# Altium PCB main.PcbDoc (part 2 of 2)
Units mm, origin at the board's own origin, x right, y up, seen from the top; angles counter-clockwise.
Board outline 199.62 x 144.74 mm, 2 copper layers (Top Layer, Bottom Layer), stack 1.58 mm thick; 201 components, 181 nets, 704 pads, 1888 vias.
Unrouted connection lines stored in the file: 2.
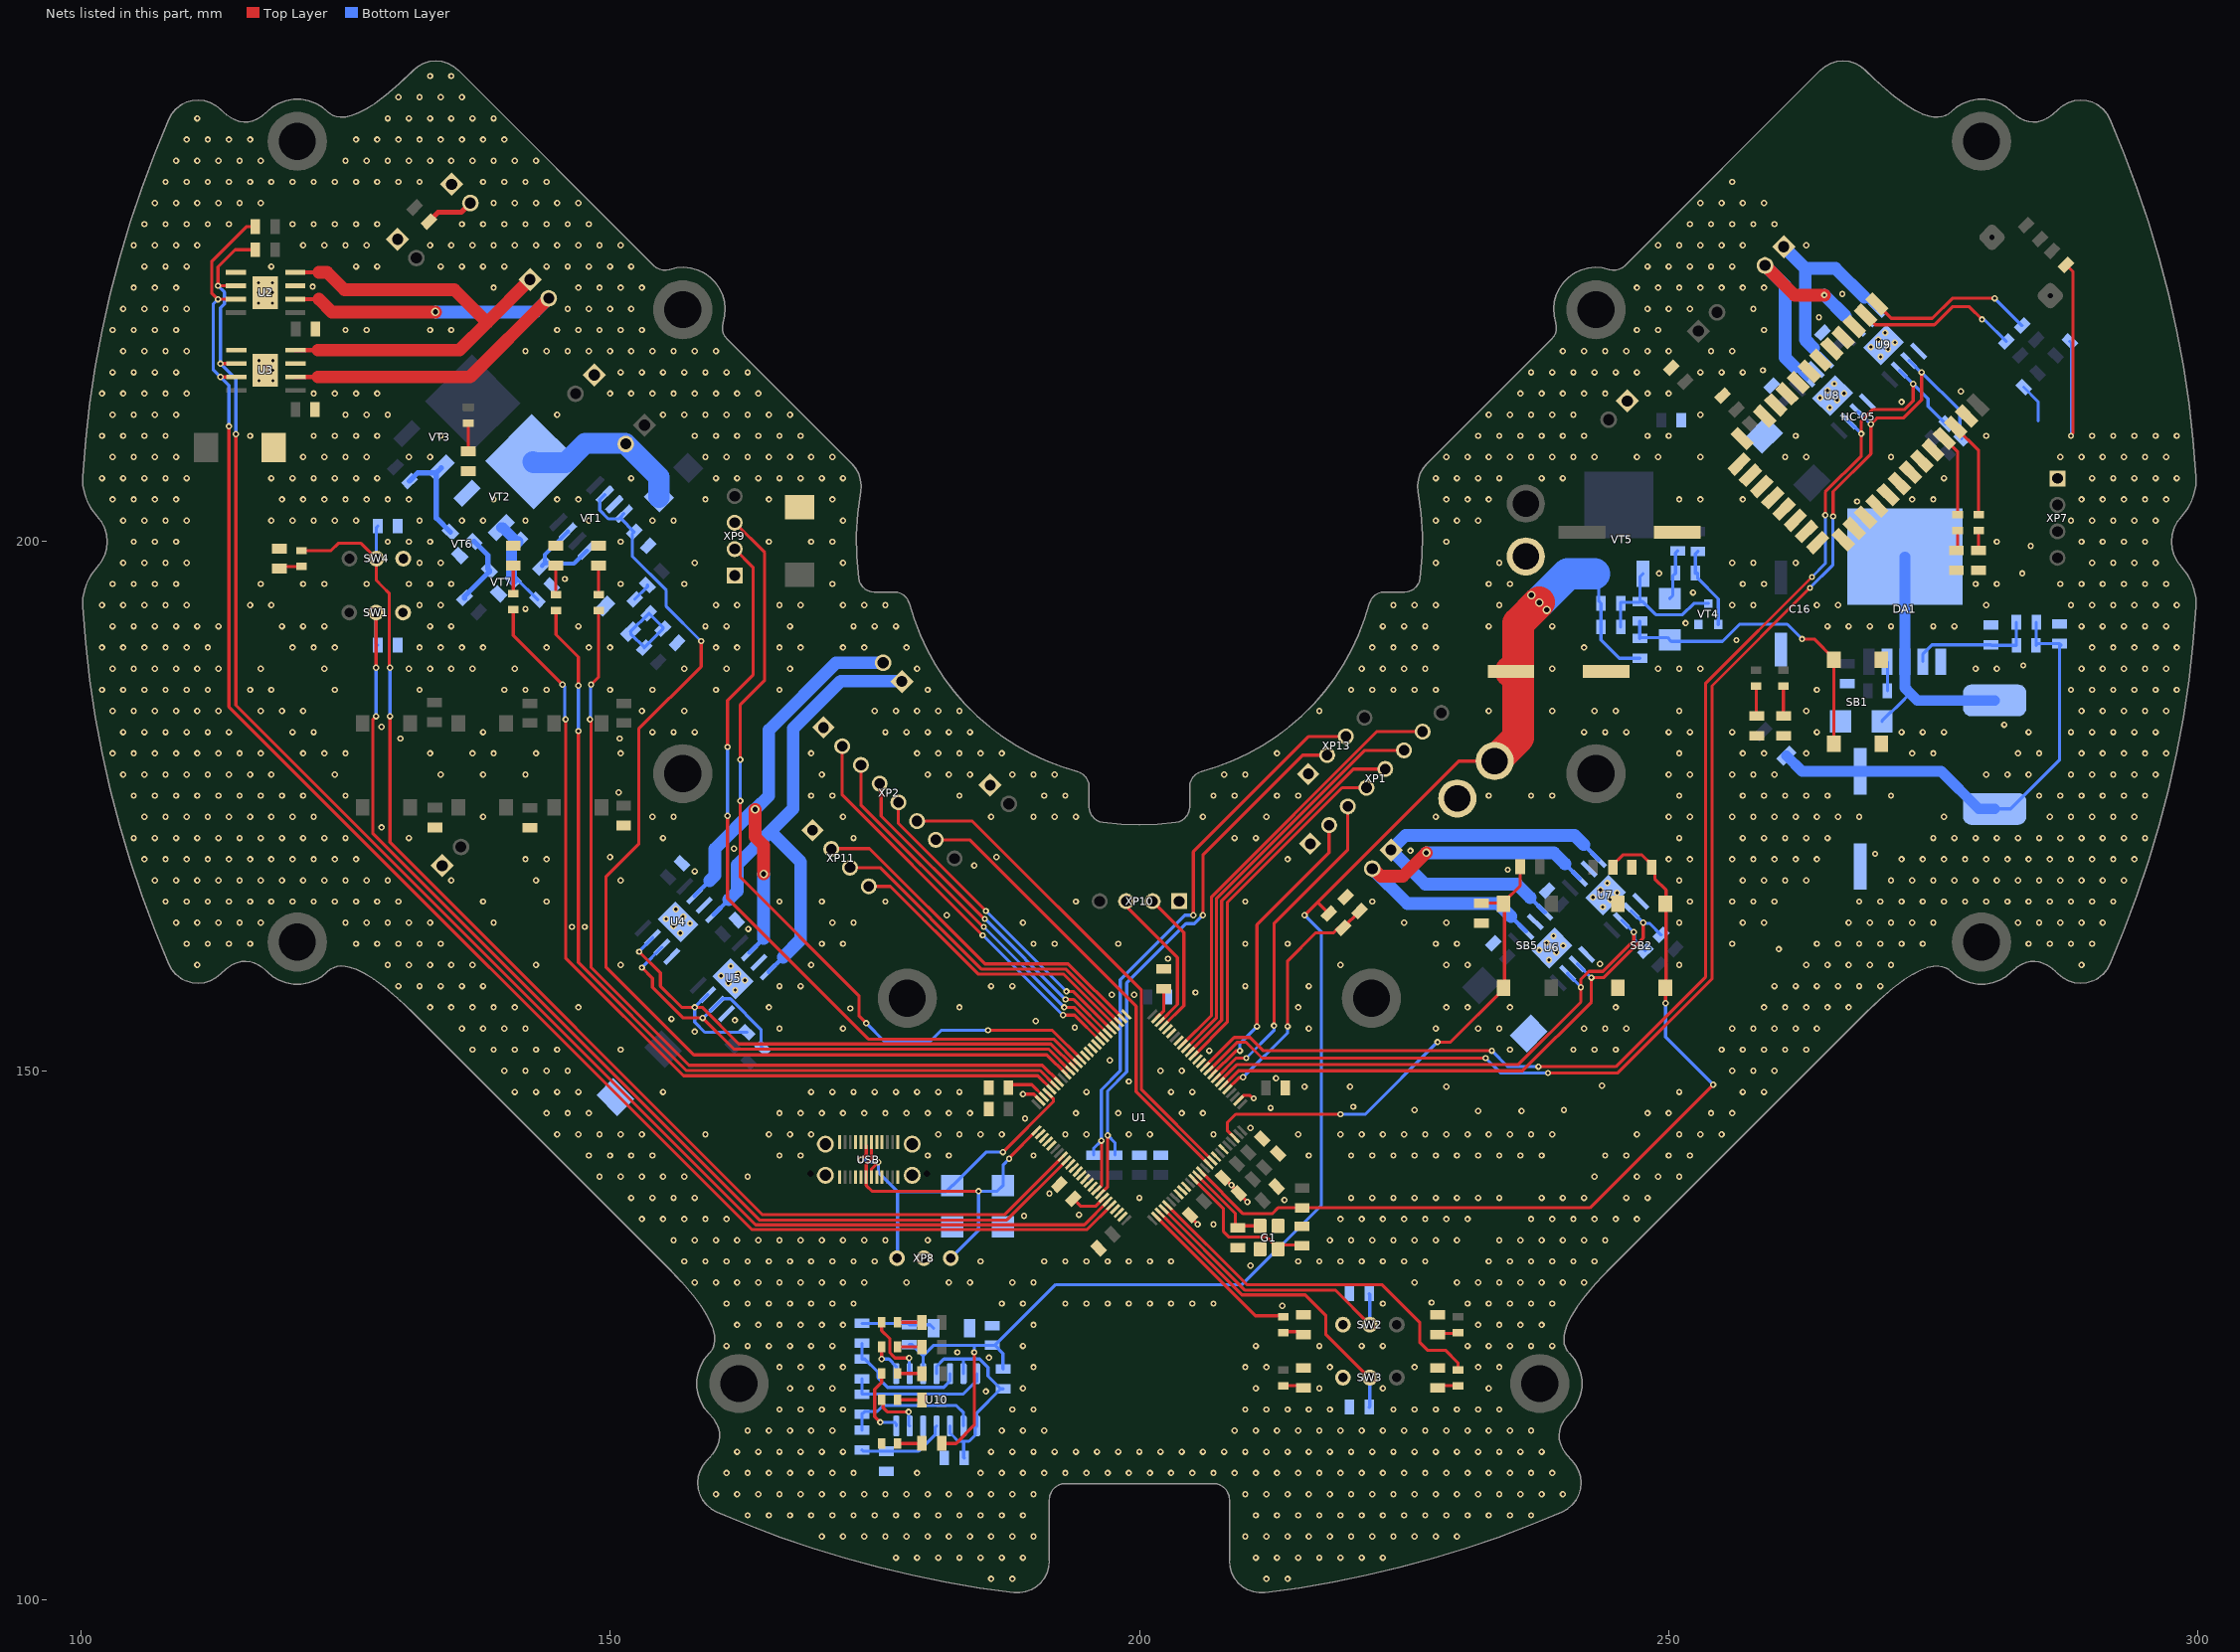
[diagram p2: the nets of this part, all layers, seen from the top]

## Via types
v1: diameter 0.6, hole 0.3, Top Layer to Bottom Layer, tented both sides, 1878 vias
v2: diameter 0.8, hole 0.5, Top Layer to Bottom Layer, tented both sides, 10 vias

## Nets (pads, with @x,y where several pads share a name; then routed paths per layer and width w, separated by ;. In a path a pad name is that pad's centre, name@x,y a point inside that pad or via, vN(x,y) a via of type N, cw(c..) or ccw(c..) an arc to the next point about the centre after c; other vN are vias at no path point) (continued)
GND: C1.1 C2.2 C3.2 C4.1 C5.1 C6.1 C7.1 C8.1 C9.1 C10.1 C11.1 C12.1 C13.1 C14.1 C15.1 C16.2 C17.1 C18.1 C20.2 C21.2 C22.2 C23.2 C24.2 C27.2 C28.2 C29.2 C30.2 C31.1 C32.2 C33.1 C34.1 C36.2 C40.1 C41.1 C42.2 C43.2 C52.1 C53.1 D1.A D2.A DA1.1 G1.2 G1.4 HC-05.13 HC-05.21 HC-05.22 R2.1 R3.1 R13.1 R14.1 R15.1 R17.1 R18.1 R19.1 R22.1 R23.1 R24.1 R25.1 R26.1 R27.1 R28.1 R29.1 R30.1 R32.1 R33.1 R34.1 R35.1 R38.1 R41.1 R42.1 R43.1 R50.1 R52.1 R59.1 R61.1 R67.1 R68.1 R71.1 R72.1 R73.1 SB1.1 SB1.2 SB2.1 SB2.2 SW1.3 SW2.3 SW3.3 SW4.3 U1.10 U1.20 U1.27 U1.74 U1.99 U2.1 U2.7 U2.9 U3.1 U3.7 U3.9 U4.1 U4.7 U4.9 U5.1 U5.7 U5.9 U6.1 U6.7 U6.9 U7.1 U7.7 U7.9 U8.1 U8.7 U8.9 U9.1 U9.7 U9.9 U10.12 USB.A1 USB.A12 USB.B1 USB.B12 USB.S1 USB.S2 USB.S3 USB.S4 Vbat.1 VD1.A VD2.A VD3.A VT1.3 VT2.S VT4.S VT6.S VT7.S XP1.1 XP2.1 XP3.1 XP4.1 XP7.1 XP8.2 XP9.1 XP10.1 XP11.1 XP12.1 XP13.1 XP14.1 XP15.1 XP20.1 XP21.1 XP22.1 | length 38.4
  Top Layer w0.3: v1(189,147.8) 190.022,147.8 U1.74@190.631,147.191 ; C27.2@204.785,136.36 204.785,136.215 v1(205.5,135.5) ; C33.1@207.903,139.903 207.944,139.903 C31.1@209.404,138.443 209.404,138.396 v1(210.2,137.6) ; U1.27@209.369,147.191 209.846,147.668 210.451,147.668 210.719,147.4 v1(210.8,147.4) ; v1(245.122,166.821) 245.122,165.878 SB2.2@245.2,165.8 ; R73.1@287.542,226.151 288.2,225.493 288.2,210.281 288,210.081 v1(288,210)
  Bottom Layer w0.3: R67.1@283.54,214.601 284.9,213.241 284.9,211.4 ; R68.1@287.895,218.924 288.071,218.749 288.071,210.152 288,210.081 v1(288,210)
  other v1: 186,102 188,102 212,102 214,102 177,104 179,104 181,104 183,104 185,104 187,104 189,104 211,104 213,104 215,104 217,104 219,104 221,104 223,104 170,106 172,106 174,106 176,106 178,106 180,106 182,106 184,106 186,106 188,106 190,106 210,106 212,106 214,106 216,106 218,106 220,106 222,106 224,106 226,106 228,106 230,106 163,108 165,108 167,108 169,108 171,108 173,108 175,108 177,108 179,108 181,108 183,108 185,108 187,108 189,108 211,108 213,108 215,108 217,108 219,108 221,108 223,108 225,108 227,108 229,108 231,108 233,108 235,108 237,108 160,110 162,110 164,110 166,110 168,110 170,110 172,110 174,110 176,110 178,110 180,110 182,110 184,110 186,110 188,110 190,110 210,110 212,110 214,110 216,110 218,110 220,110 222,110 224,110 226,110 228,110 230,110 232,110 234,110 236,110 238,110 240,110 161,112 163,112 165,112 167,112 169,112 171,112 173,112 179,112 185,112 187,112 189,112 191,112 193,112 195,112 197,112 199,112 201,112 203,112 205,112 207,112 209,112 211,112 213,112 215,112 217,112 219,112 221,112 223,112 225,112 227,112 229,112 231,112 233,112 235,112 237,112 239,112 162,114 164,114 166,114 168,114 170,114 172,114 186,114 188,114 190,114 192,114 194,114 196,114 198,114 200,114 202,114 204,114 206,114 208,114 210,114 212,114 214,114 216,114 218,114 220,114 222,114 224,114 226,114 228,114 230,114 232,114 234,114 236,114 238,114 163,116 165,116 167,116 169,116 171,116 187,116 189,116 191,116 209,116 211,116 213,116 215,116 217,116 219,116 221,116 223,116 225,116 227,116 229,116 231,116 233,116 235,116 237,116 166,118 168,118 170,118 172,118 188,118 190,118 210,118 212,118 214,118 216,118 218,118 224,118 226,118 228,118 230,118 232,118 234,118 185.5,119.7 167,120 169,120 171,120 189,120 211,120 217,120 223,120 233,120 166,122 168,122 170,122 172,122 190,122 210,122 212,122 218,122 226,122 232,122 234,122 185.8,122.9 182.8,123.4 161,124 163,124 165,124 167,124 169,124 171,124 189,124 211,124 217,124 221,124 223,124 231,124 233,124 235,124 237,124 239,124 162,126 164,126 166,126 168,126 170,126 172,126 190,126 232,126 234,126 236,126 238,126 213.5,127.8 161,128 163,128 165,128 167,128 169,128 171,128 173,128 187,128 189,128 193,128 195,128 197,128 199,128 201,128 203,128 205,128 207,128 223,128 231,128 233,128 235,128 237,128 239,128 227.6,128.1 158,130 160,130 162,130 164,130 166,130 168,130 170,130 172,130 174,130 178,130 182,130 184,130 188,130 190,130 226,130 230,130 232,130 234,130 236,130 238,130 240,130 242,130 210.5,131.6 157,132 159,132 161,132 163,132 165,132 167,132 169,132 171,132 173,132 175,132 185,132 191,132 193,132 195,132 197,132 199,132 201,132 203,132 215,132 217,132 219,132 221,132 223,132 225,132 227,132 233,132 235,132 237,132 239,132 241,132 243,132 156,134 158,134 160,134 162,134 164,134 166,134 168,134 170,134 172,134 174,134 176,134 180,134 218,134 220,134 222,134 224,134 226,134 228,134 230,134 234,134 236,134 238,134 240,134 242,134 244,134 207,135.5 153,136 155,136 157,136 159,136 161,136 219,136 221,136 223,136 225,136 227,136 229,136 231,136 237,136 239,136 241,136 243,136 245,136 247,136 189.1,136.3 194.3,136.4 213.7,137.8 152,138 154,138 156,138 158,138 200,138 220,138 222,138 224,138 226,138 228,138 230,138 232,138 234,138 238,138 240,138 242,138 246,138 248,138 191.5,138.4 208.7,139.2 149,140 151,140 153,140 155,140 157,140 163,140 243,140 247,140 249,140 251,140 148,142 150,142 152,142 154,142 166,142 168,142 180,142 182,142 190,142 216,142 220,142 222,142 224,142 226,142 228,142 230,142 232,142 234,142 236,142 238,142 244,142 246,142 250,142 252,142 145,144 147,144 149,144 151,144 153,144 159,144 165,144 167,144 169,144 181,144 183,144 185,144 187,144 193,144 195,144 199,144 201,144 207,144 215,144 219,144 221,144 223,144 225,144 227,144 229,144 231,144 233,144 235,144 237,144 239,144 247,144 251,144 253,144 255,144 210.5,144.6 189.2,145.5 144,146 146,146 148,146 166,146 168,146 170,146 172,146 174,146 176,146 178,146 180,146 182,146 184,146 194,146 198,146 204,146 206,146 248,146 250,146 254,146 256,146 232,146.2 236.1,146.2 226,146.3 240.1,146.3 212.4,146.5 220.2,146.6 141,148 143,148 145,148 147,148 155,148 169,148 171,148 173,148 175,148 177,148 179,148 181,148 183,148 195,148 203,148 205,148 251,148 257,148 259,148 215.6,148.5 219.9,148.5 229,148.5 243.7,148.6 199,149 212.9,149.3 140,150 142,150 144,150 146,150 202,150 204,150 256,150 258,150 260,150 197.2,151 206.6,151.9 137,152 139,152 141,152 143,152 145,152 151,152 235,152 241,152 243,152 245,152 255,152 257,152 259,152 261,152 263,152 158,153.7 136,154 138,154 140,154 142,154 166,154 172,154 216,154 228,154 232,154 234,154 242,154 244,154 246,154 256,154 258,154 260,154 262,154 264,154 193.9,154.1 190.2,154.7 161.787,154.784 155.8,154.9 172.7,155.9 133,156 135,156 137,156 139,156 141,156 147,156 165,156 183,156 215,156 229,156 231,156 235,156 245,156 259,156 261,156 263,156 265,156 267,156 197.4,157.2 199.5,157.2 205.3,157.4 161.818,157.626 130,158 132,158 134,158 136,158 138,158 166,158 168,158 186,158 188,158 210,158 216,158 260,158 262,158 264,158 266,158 268,158 270,158 161.176,158.268 162.738,158.545 160.475,158.969 162.095,159.187 161.394,159.888 111,160 129,160 131,160 133,160 135,160 137,160 143,160 151,160 169,160 219,160 229,160 231,160 251,160 263,160 265,160 267,160 269,160 271,160 289,160 243.5,160.1 238.693,160.481 202.7,160.6 239.394,161.182 237.773,161.4 260.4,161.5 240.036,161.824 110,162 112,162 114,162 116,162 126,162 128,162 130,162 132,162 134,162 170,162 172,162 190,162 192,162 198,162 210,162 214,162 228,162 230,162 256,162 264,162 266,162 268,162 270,162 272,162 274,162 284,162 286,162 288,162 290,162 238.475,162.101 239.117,162.744 156.627,163.014 163.05,163.4 146.4,163.6 147.6,163.6 155.985,163.656 157.546,163.933 109,164 111,164 113,164 115,164 117,164 125,164 127,164 129,164 131,164 133,164 139,164 171,164 173,164 189,164 225,164 229,164 251,164 257,164 259,164 267,164 269,164 271,164 273,164 275,164 283,164 285,164 287,164 289,164 291,164 155.283,164.357 156.904,164.576 181.8,164.7 156.203,165.277 243.778,165.478 108,166 110,166 112,166 114,166 116,166 118,166 120,166 122,166 124,166 126,166 128,166 130,166 138,166 144,166 166,166 170,166 176,166 194,166 210,166 222,166 252,166 256,166 258,166 260,166 268,166 270,166 272,166 274,166 276,166 278,166 280,166 282,166 284,166 286,166 288,166 290,166 292,166 244.479,166.179 242.859,166.397 243.56,167.098 244.203,167.74 107,168 109,168 111,168 113,168 115,168 117,168 119,168 121,168 123,168 125,168 127,168 129,168 135,168 143,168 151,168 251,168 257,168 259,168 261,168 263,168 271,168 273,168 275,168 277,168 279,168 281,168 283,168 285,168 287,168 289,168 291,168 293,168 158,168.85 234.8,169 184.4,169.4 106,170 108,170 110,170 112,170 114,170 116,170 118,170 120,170 122,170 124,170 126,170 142,170 144,170 214,170 250,170 252,170 256,170 258,170 260,170 262,170 264,170 272,170 274,170 276,170 278,170 280,170 282,170 284,170 286,170 288,170 290,170 292,170 294,170 150,170.2 186.5,170.2 269.5,170.5 225.6,170.8 161.7,171 105,172 107,172 109,172 111,172 113,172 115,172 117,172 119,172 121,172 123,172 125,172 131,172 155,172 173,172 209,172 211,172 251,172 257,172 259,172 261,172 263,172 265,172 275,172 277,172 279,172 281,172 283,172 285,172 287,172 289,172 291,172 293,172 295,172 128.4,173 106,174 108,174 110,174 112,174 114,174 116,174 118,174 120,174 122,174 138,174 154,174 156,174 172,174 186,174 190,174 192,174 194,174 206,174 212,174 228,174 250,174 252,174 256,174 258,174 260,174 262,174 264,174 266,174 268,174 276,174 286,174 288,174 290,174 292,174 294,174 105,176 107,176 109,176 111,176 113,176 115,176 117,176 119,176 121,176 125,176 169,176 171,176 183,176 191,176 193,176 207,176 209,176 213,176 215,176 233,176 237,176 239,176 251,176 257,176 259,176 261,176 263,176 265,176 271,176 285,176 287,176 289,176 291,176 293,176 295,176 150.8,176.3 104,178 106,178 108,178 110,178 112,178 114,178 116,178 118,178 124,178 134,178 138,178 142,178 170,178 180,178 182,178 184,178 188,178 190,178 192,178 208,178 210,178 250,178 252,178 256,178 258,178 260,178 280,178 282,178 284,178 288,178 290,178 292,178 294,178 296,178 103,180 105,180 107,180 109,180 111,180 113,180 115,180 117,180 121,180 123,180 125,180 133,180 137,180 139,180 143,180 151,180 169,180 179,180 181,180 183,180 185,180 187,180 213,180 251,180 257,180 259,180 263,180 273,180 275,180 283,180 285,180 289,180 291,180 293,180 295,180 297,180 130.2,181.4 150.9,181.4 104,182 106,182 108,182 110,182 112,182 114,182 120,182 122,182 138,182 154,182 156,182 158,182 176,182 178,182 180,182 182,182 184,182 242,182 244,182 246,182 250,182 252,182 256,182 264,182 272,182 274,182 276,182 284,182 288,182 290,182 292,182 294,182 296,182 128.4,182.5 281.7,182.7 103,184 105,184 107,184 109,184 111,184 113,184 117,184 119,184 121,184 153,184 157,184 175,184 177,184 179,184 181,184 183,184 217,184 233,184 239,184 243,184 245,184 251,184 263,184 289,184 291,184 293,184 295,184 297,184 102,186 104,186 106,186 108,186 110,186 112,186 116,186 118,186 124,186 132,186 140,186 142,186 144,186 150,186 154,186 160,186 166,186 180,186 220,186 222,186 224,186 226,186 228,186 264,186 288,186 290,186 292,186 294,186 296,186 298,186 103,188 105,188 107,188 109,188 111,188 113,188 117,188 123,188 131,188 133,188 135,188 137,188 141,188 157,188 161,188 167,188 179,188 221,188 223,188 225,188 227,188 239,188 249,188 251,188 253,188 279,188 281,188 289,188 291,188 293,188 295,188 297,188 283.5,188.3 102,190 104,190 106,190 108,190 110,190 112,190 120,190 122,190 124,190 132,190 134,190 136,190 138,190 144,190 148,190 150,190 160,190 162,190 166,190 168,190 172,190 174,190 178,190 222,190 224,190 226,190 228,190 242,190 290,190 292,190 294,190 296,190 298,190 256.4,190.7 103,192 105,192 107,192 109,192 111,192 113,192 119,192 121,192 123,192 133,192 135,192 147,192 159,192 161,192 167,192 173,192 175,192 177,192 223,192 225,192 227,192 233,192 239,192 265,192 267,192 269,192 271,192 275,192 277,192 289,192 291,192 293,192 295,192 297,192 251.6,192.3 142,193.65 102,194 104,194 106,194 108,194 110,194 116,194 118,194 132,194 134,194 160,194 162,194 166,194 168,194 172,194 174,194 176,194 224,194 226,194 228,194 234,194 256,194 258,194 264,194 266,194 280,194 288,194 290,194 292,194 294,194 296,194 298,194 252.3,195.2 103,196 105,196 107,196 109,196 117,196 121,196 123,196 127,196 131,196 133,196 135,196 151,196 157,196 171,196 233,196 235,196 257,196 259,196 279,196 281,196 287,196 289,196 291,196 293,196 295,196 297,196 145.725,196.475 249.1,197 283.4,197 104,198 106,198 108,198 110,198 132,198 134,198 158,198 172,198 228,198 234,198 256,198 258,198 262,198 290,198 292,198 294,198 296,198 284.2,199.6 105,200 107,200 109,200 129,200 131,200 133,200 151,200 165,200 169,200 171,200 229,200 281,200 289,200 291,200 293,200 295,200 104,202 106,202 108,202 110,202 118,202 120,202 122,202 124,202 126,202 132,202 136,202 138,202 142,202 148,202 154,202 156,202 172,202 228,202 230,202 232,202 288,202 290,202 292,202 294,202 296,202 267.8,203.8 103,204 105,204 107,204 109,204 119,204 121,204 123,204 125,204 127,204 129,204 131,204 139,204 145,204 147,204 159,204 165,204 171,204 229,204 231,204 233,204 251,204 253,204 257,204 273,204 275,204 289,204 291,204 293,204 295,204 297,204 102,206 104,206 106,206 108,206 110,206 118,206 120,206 122,206 124,206 126,206 128,206 152,206 160,206 162,206 164,206 166,206 168,206 170,206 172,206 228,206 230,206 232,206 234,206 238,206 240,206 276,206 290,206 292,206 294,206 296,206 298,206 103,208 105,208 107,208 109,208 121,208 123,208 125,208 127,208 131,208 133,208 159,208 161,208 163,208 165,208 167,208 169,208 171,208 229,208 231,208 233,208 235,208 237,208 239,208 241,208 243,208 247,208 249,208 253,208 261,208 263,208 271,208 287,208 289,208 291,208 293,208 295,208 297,208 102,210 104,210 106,210 108,210 116,210 122,210 124,210 126,210 128,210 134,210 158,210 160,210 162,210 164,210 166,210 168,210 232,210 234,210 236,210 238,210 240,210 242,210 248,210 250,210 262,210 280,210 290,210 292,210 294,210 296,210 298,210 103,212 105,212 107,212 109,212 125,212 127,212 129,212 145,212 155,212 157,212 159,212 161,212 163,212 165,212 167,212 233,212 235,212 237,212 239,212 241,212 253,212 265.217,212.669 272,213.2 265.918,213.37 264.298,213.588 102,214 104,214 106,214 108,214 110,214 122,214 124,214 126,214 128,214 150,214 152,214 154,214 156,214 158,214 160,214 162,214 164,214 236,214 238,214 240,214 242,214 244,214 248,214 250,214 266.561,214.012 277.6,214.2 264.999,214.289 265.641,214.931 116.837,215.209 118.137,215.209 103,216 105,216 107,216 109,216 151,216 153,216 155,216 157,216 159,216 161,216 163,216 237,216 239,216 241,216 243,216 245,216 247,216 253,216 255,216 257,216 116.837,216.201 118.137,216.201 258.9,216.2 116.837,217.109 118.137,217.109 270.023,217.475 104,218 106,218 108,218 110,218 142,218 144,218 146,218 148,218 150,218 152,218 154,218 156,218 158,218 160,218 240,218 242,218 244,218 246,218 248,218 250,218 254,218 256,218 270.724,218.176 269.104,218.394 271.367,218.818 269.805,219.095 270.447,219.737 103,220 105,220 107,220 109,220 125,220 127,220 133,220 135,220 145,220 147,220 149,220 151,220 153,220 247,220 249,220 259,220 264.2,221.2 104,222 106,222 108,222 110,222 146,222 148,222 150,222 152,222 248,222 250,222 252,222 258,222 116.8,222.55 118.1,222.55 266.4,223.4 116.8,223.542 118.1,223.542 105,224 107,224 109,224 139,224 147,224 149,224 151,224 153,224 247,224 249,224 251,224 253,224 255,224 257,224 259,224 121.9,224.1 116.8,224.45 118.1,224.45 106,226 108,226 110,226 118,226 126,226 128,226 134,226 136,226 138,226 140,226 144,226 146,226 148,226 150,226 152,226 248,226 250,226 252,226 254,226 256,226 105,228 107,228 109,228 111,228 121,228 123,228 125,228 127,228 133,228 135,228 137,228 139,228 141,228 143,228 145,228 147,228 149,228 151,228 249,228 251,228 253,228 255,228 257,228 263,228 106,230 108,230 110,230 112,230 114,230 120,230 122,230 124,230 126,230 128,230 136,230 138,230 140,230 142,230 144,230 146,230 148,230 252,230 254,230 256,230 258,230 260,230 107,232 109,232 111,232 113,232 115,232 117,232 139,232 141,232 143,232 145,232 147,232 253,232 255,232 257,232 259,232 108,234 110,234 112,234 114,234 116,234 118,234 120,234 122,234 124,234 126,234 128,234 130,234 132,234 138,234 140,234 142,234 144,234 256,234 109,236 111,236 113,236 115,236 117,236 125,236 127,236 129,236 131,236 133,236 135,236 137,236 139,236 141,236 143,236 110,238 112,238 114,238 116,238 126,238 128,238 130,238 132,238 134,238 136,238 138,238 140,238 111,240 129,240 131,240 133,240 135,240 137,240 139,240 130,242 132,242 134,242 136,242 133,244 135,244
GOAL_SW: R41.2 SW3.2 U1.3 | length 30.1
  Top Layer w0.3: U1.3@201.945,136.584 202.325,136.204 209.693,128.836 215.664,128.836 217.6,126.9 217.6,125.11 SW3.2@221.774,120.936
  Bottom Layer w0.3: R41.2@221.72,118.22 221.774,118.274 SW3.2@221.774,120.936
I2C1_SCL: R31.2 U1.92 XP13.3 | length 56.9
  Top Layer w0.3: U1.92@195.934,138.706 196.443,139.214 196.443,141.1 196.443,143.357 v1(196.4,143.4) ; v1(205.1,164.7) 205.1,170.7 216,181.6 XP13.3@219.5,181.6
  Bottom Layer w0.3: R31.2@195.68,142.042 195.68,142.68 v1(196.4,143.4) 196.4,148.2 198.2,150 198.2,158.6 204.3,164.7 v1(205.1,164.7)
I2C1_SDA: R45.2 U1.93 XP13.2 | length 54.3
  Top Layer w0.3: U1.93@196.288,138.352 197,139.064 197,141.1 v1(197,143.9) ; v1(206,164.7) 206,170.4 215.432,179.832 XP13.2@217.732,179.832
  Bottom Layer w0.3: R45.2@197.7,142.042 197.7,143.2 v1(197,143.9) 197,148.1 198.8,149.9 198.8,158.3 204.4,163.9 205.2,163.9 v1(206,164.7)
IMU_RX: U1.47 XP10.2 | length 13.8
  Top Layer w0.3: XP10.2@201.25,166.025 204.2,163.075 204.2,156.164 U1.47@202.298,154.262
IMU_TX: U1.48 XP10.3 | length 14.1
  Top Layer w0.3: XP10.3@198.75,166.025 198.981,165.794 198.981,165.321 203.6,160.703 203.6,156.271 U1.48@201.945,154.616
KICK_IN: R18.2 U1.67 VT1.2 VT1.4 | length 101.8
  Top Layer w0.3: v1(158.6,190.6) 158.6,188.2 152.7,182.3 152.7,171.418 149.6,168.318 149.6,159.825 157.91,151.515 191.256,151.515 U1.67@193.106,149.666
  Bottom Layer w0.3: VT1.2@149.501,204.44 149.017,203.955 149.017,202.983 149.841,202.159 150.813,202.159 VT1.4@151.037,202.383 ; VT1.4@151.297,202.644 VT1.4@151.037,202.383 ; v1(158.6,190.6) 158.577,190.6 155.3,193.877 155.3,195.4 152.102,198.598 152.102,200.755 R18.2@152.278,200.93 151.037,202.171 VT1.4@151.037,202.383
LB_IN1: U1.39 XP1.4 | length 33.4
  Top Layer w0.3: U1.39@205.127,151.434 208.3,154.607 208.3,165.9 219.151,176.751 XP1.4@221.456,176.751
LB_IN2: U1.40 XP1.5 | length 36.1
  Top Layer w0.3: U1.40@204.773,151.787 207.767,154.781 207.767,166.067 220.219,178.519 XP1.5@223.224,178.519
LB_IN3: U1.41 XP1.6 | length 38.8
  Top Layer w0.3: U1.41@204.419,152.141 207.267,154.988 207.267,166.267 221.287,180.287 XP1.6@224.992,180.287
LB_IN4: U1.42 XP1.7 | length 41.5
  Top Layer w0.3: U1.42@204.066,152.494 206.817,155.246 206.817,166.454 222.418,182.054 XP1.7@226.759,182.054
LB_OUT1: U1.34 XP1.2 | length 28.3
  Top Layer w0.3: U1.34@206.894,149.666 209.128,151.9 v1(209.5,151.9) ; v1(211.1,154.201) 211.1,163.8 217.914,170.614 217.914,173.208 XP1.2@217.921,173.215